# KiCad board mxm_immobilizer.kicad_pcb (continued)
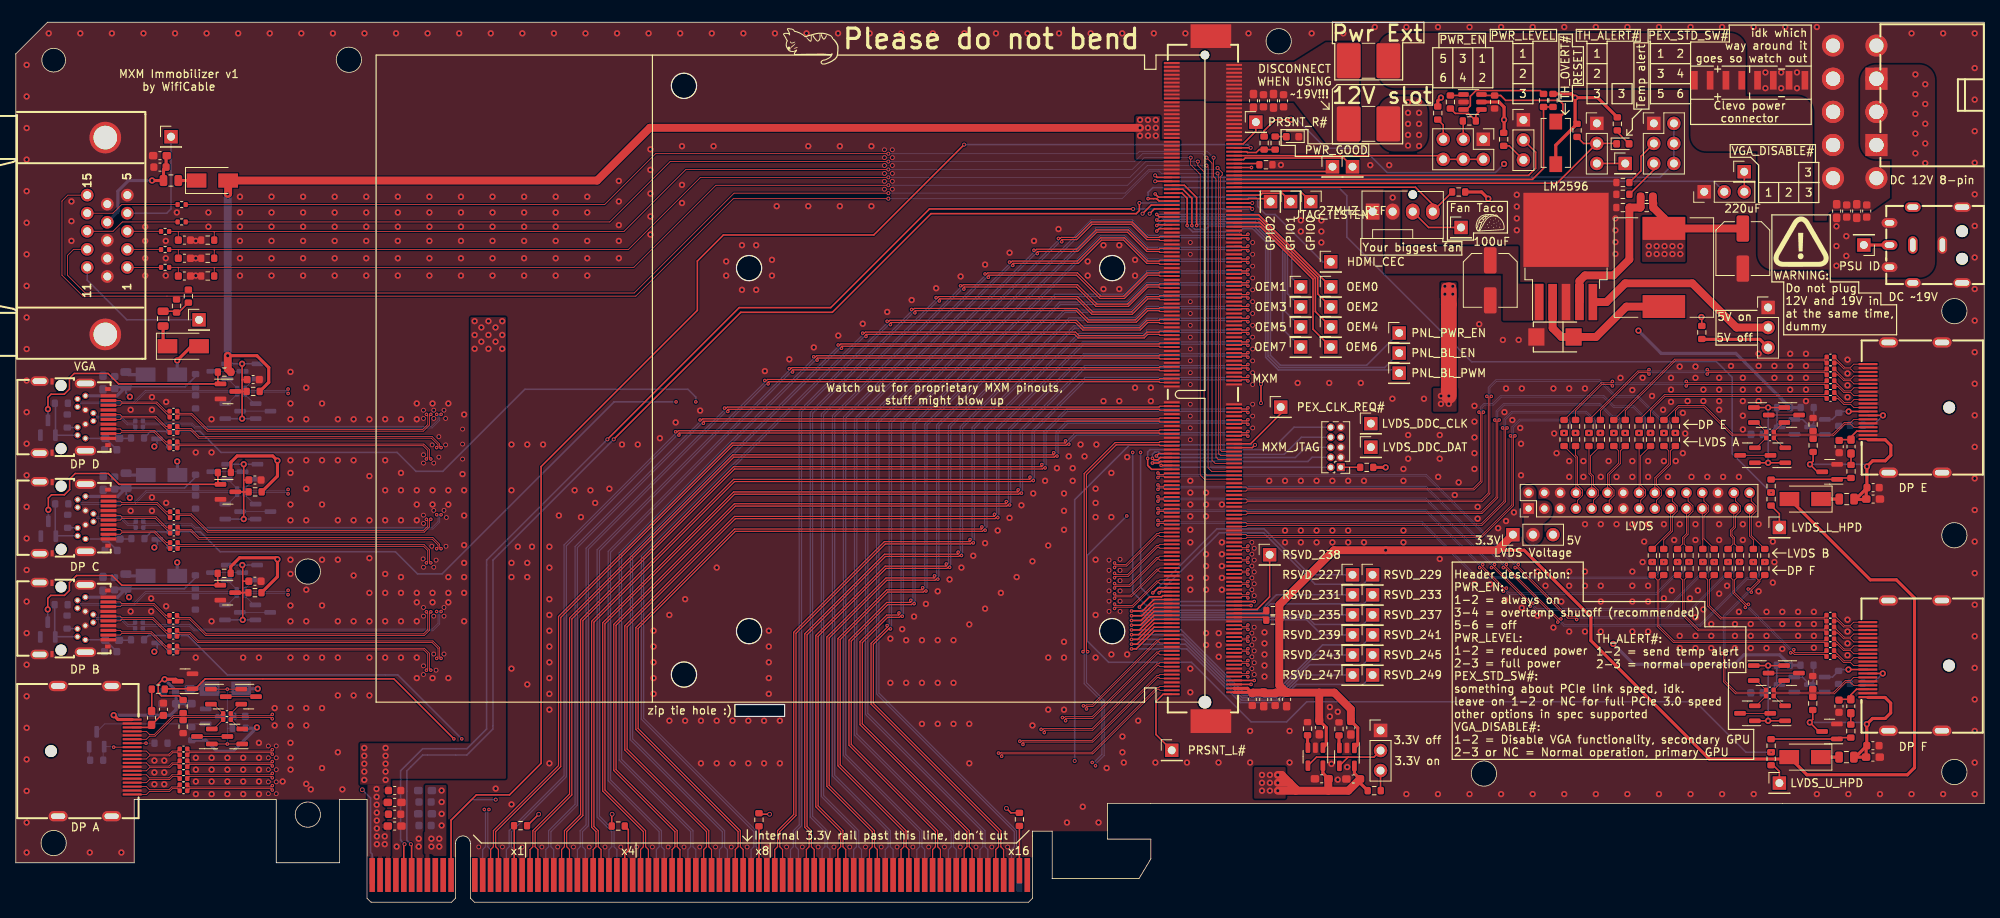
[diagram p0: board, top side]
## Nets (continued)
Net-(Q4-Pad3): Q4.3 Q8.1 R18.1
Net-(Q10-Pad3): Q10.3 Q18.3
Net-(Q11-Pad3): Q11.3 Q19.3
Net-(Q12-Pad3): Q12.3 Q20.3
Net-(Q13-Pad3): Q13.3 Q21.3
Net-(Q14-Pad3): Q14.3 Q22.3
Net-(Q15-Pad3): Q15.3 Q23.3
Net-(Q16-Pad3): Q16.3 Q24.3
Net-(Q17-Pad3): Q9.3 Q17.3
Net-(Q25-Pad3): Q25.3 Q29.3
Net-(Q26-Pad3): Q26.3 Q30.3
Net-(Q27-Pad3): Q27.3 Q31.3
Net-(Q28-Pad3): Q28.3 Q32.3
Net-(Q33-Pad1): Q33.1 Q35.3 R112.1
Net-(Q34-Pad1): Q34.1 Q36.3 R113.1
Net-(R8-Pad2): mDP_D1.6 R8.2
Net-(R9-Pad2): mDP_C1.6 R9.2
Net-(R10-Pad2): mDP_B1.6 R10.2
Net-(R48-Pad2): R48.2 U3.3
Net-(R73-Pad1): R73.1 SW1.2 U3.6
Net-(R74-Pad2): R74.2 U1.3
Net-(R75-Pad2): R75.2 U2.3
Net-(R76-Pad1): R76.1 R77.1 U3.4
Net-(R76-Pad2): R76.2 U3.1
Net-(TP1-Pad1): TP1.1 VGA1.4
Net-(TP2-Pad1): TP2.1 VGA1.11

Pads without a net: J8 7; PCIe_x16_1 A5 A6 A7 A8 A19 A32 A33 A50 B9 B10 B12 B30 B82

## Via types
v1: diameter 0.8, hole 0.4, Top to Bottom, 991 vias
v2: diameter 0.6, hole 0.4, Top to Bottom, 158 vias
v3: diameter 0.45, hole 0.2, Top to Bottom, 288 vias
v4: diameter 0.5, hole 0.3, Top to Bottom, 43 vias

## Routing (per net, layer and track width the routed paths; a pad name or vN(x,y) marks a point on that pad's centre or on a via; arc(x,y) is an arc through that point)
3V3_CURRLIM: length 420.2
  Top w0.4: D16.2 224.72,51.08 234.95,40.85 238.25,40.85 240.55,38.55 240.55,17.05 239.65,16.15 226.92,16.15 D17.2 224.44,18.15 214.55,18.15 199.55,33.15 199.55,36.15 191.1,44.6 187.7,44.6 ; U2.1 166.02,20 166.02,22.13 C73.1 ; MXM1.278 156.03,27.1 156.65,26.47 156.53,26.6 MXM1.280 ; R100.2 v1(173.55,55.1) ; D6.2 22.25,70.45 v1(20.45,68.65) ; C72.1 170.01,22.1 170.01,19.97 U1.1
  Top w1: J10.1 187.7,44.6 v1(173.55,44.6) 167,44.6 160.09,37.68 R37.2 160.09,35.76 R38.2 160.08,27.49 C67.1 ; 165.14,26.56 167.04,26.56 169.14,24.46 C72.1 ; 165.14,26.56 C67.1 ; 165.14,26.56 165.14,23.01 C73.1 ; C67.1 159.64,26.56 159.55,26.47 158.19,26.47 C69.1 156.74,26.56 156.65,26.47
  In3.Cu w1: v1(30.65,27.05) 20.45,37.25 v1(20.45,43.05) v1(20.45,55.85) v1(20.45,68.65) 23.75,71.95 36.15,71.95 39.95,68.15 89.65,68.15 93.05,64.75 140.55,64.75 154.85,50.45 167.75,50.45 173.55,44.65 v1(173.55,44.6) v1(173.55,55.1)
  Bottom w0.4: D3.2 v1(30.65,27.05) ; D2.2 v1(20.45,43.05) ; v1(20.45,55.85) 20.47,55.82 D5.2 ; D4.2 v1(20.45,68.65)
3V3_DP_A: length 24.5
  Top w0.2: R31.1 20.68,26.15 18.45,26.15 18.05,26.55 18.05,27.65 18.65,28.25 v1(18.85,28.25)
  Top w0.4: v1(12.4,23.7) 12.95,23.15 DP_A1.20 ; v1(18.85,28.25) 20.26,28.25 D10.3
  Bottom w0.4: C7.1 20.3,25.14 20.3,24.4 19.6,23.7 v1(12.4,23.7) ; C7.1 20.31,26.56 C8.1 20.22,26.87 v1(18.85,28.25) ; C7.1 20.32,25.16 F3.2
3V3_DP_B: length 29
  In3.Cu w0.2: v1(14.35,38.65) 17.55,35.45 v1(17.55,31.75)
  Bottom w0.2: v1(14.35,38.65) 13.95,39.05 F2.2 21.36,39.71 22.75,41.1 R28.1 ; v1(17.55,31.75) 17.91,32.11 D9.3
  Bottom w0.4: C47.2 11.14,39.57 C6.2 12.64,39.71 F2.2 12.89,38.65 mDP_B1.20
3V3_DP_C: length 28.4
  In3.Cu w0.2: v1(17.55,44.95) 17.55,48.15 v1(14.45,51.25)
  Bottom w0.2: v1(17.55,44.95) 17.93,45.32 D8.3 ; v1(14.45,51.25) 13.97,51.72 F5.2 21.39,52.49 22.78,53.88 R25.1
  Bottom w0.4: 8.83,51.42 12.91,51.42 F5.2 12.66,52.49 C5.2 11.16,52.35 C46.2
3V3_DP_D: length 28.5
  In3.Cu w0.2: v1(14.45,64.05) 17.55,60.95 v1(17.55,57.75)
  Bottom w0.2: v1(14.45,64.05) 13.95,64.55 F4.2 21.46,65.31 22.78,66.63 R22.1 ; v1(17.55,57.75) 17.89,58.09 D7.3
  Bottom w0.4: C45.2 11.14,65.07 C4.2 12.77,65.31 F4.2 12.81,64.17 mDP_D1.20
3V3_DP_E: length 26.6
  Top w0.2: 227.7,56.91 227.7,55.88 v1(227.3,55.48) 228.25,54.53 D13.3
  Top w0.4: 233.07,51.03 234.52,52.48 v1(234.52,55.21) 235.25,55.93 236.85,55.93 237.55,56.63 237.55,57.88 236.84,58.6 234.65,58.6 ; 232.88,51.03 234.43,51.03 234.43,52.4
  Bottom w0.2: v1(227.3,55.48) 234.25,55.48 v1(234.52,55.21)
3V3_DP_F: length 27
  Top w0.2: D14.3 228.43,21.64 v1(227.28,22.79) 227.66,23.16 227.66,24.21
  Top w0.4: 234.5,19.84 233.06,18.39 F8.2 C114.2 234.42,19.75 234.5,19.84 ; 234.5,19.84 v1(234.5,22.56) 235.23,23.29 236.83,23.29 237.53,23.99 237.53,25.24 236.82,25.95 234.64,25.95
  Bottom w0.2: v1(234.5,22.56) 234.28,22.79 v1(227.28,22.79)
3V3_SLOT: length 361.8
  Top w0.2: v1(161.55,99.15) 159.55,99.15 158.15,97.75 R44.1 ; R101.2 213.6,74.1 v1(213.55,74.15)
  Top w0.4: R43.1 188.55,97.54 v1(188.55,99.15) 188.55,100.75 187.9,101.4 U3.5 ; v1(197.55,101.95) 197.55,98.88 R47.1 195.1,95.93 SW1.1 ; v1(197.55,101.95) 200.41,101.95 R71.1 ; v1(197.55,101.95) 197.08,102.42 R45.1 ; U2.5 165.6,16.35 C71.1 ; 171.28,14.14 170.3,15.11 C70.1 169.59,16.33 U1.5 ; v1(186.55,89.15) 185.7,90 R42.1 ; R72.1 180.15,101.55 v1(180.55,101.95)
  Top w1: 161.38,15.13 160.38,16.13 v1(159.88,16.13) ; 161.38,15.13 162.18,14.33 162.18,14.13 ; 161.38,15.13 v1(159.88,15.13) ; C71.1 166.28,15.6 166.28,14.13 ; C70.1 168.82,14.13 166.28,14.13 ; 166.28,14.13 162.18,14.13 ; v1(159.88,14.13) 162.18,14.13
  Top w2: v1(181.55,64.15) 181.55,77.55
  In3.Cu w2: v1(180.55,63.15) 178.5,61.1 178.5,28.6 175.1,25.2 168.65,25.2 167.5,26.35 163.2,26.35 158.9,22.05 158.9,16.15 v1(158.88,16.13) ; 188.55,91.15 209.05,91.15 213.55,86.65 v1(213.55,74.15) ; 188.55,91.15 v1(188.55,93.55) 188.55,97.65 ; 188.55,91.15 v1(186.55,89.15) 186.55,85.35 181.55,80.35 181.55,77.55 ; v1(180.55,101.95) 185.75,101.95 v1(188.55,99.15) 188.55,97.65 ; v1(197.55,101.95) 189.85,101.95 188.55,100.65 188.55,97.65
  In3.Cu w2.5: v1(53.95,12.7) v1(53.95,11.2) 57.11,11.2 57.11,11.17 59.51,8.77 126.27,8.77 132.43,14.93 157.68,14.93 v1(157.88,15.13)
  Bottom w0.2: v1(188.55,93.55) 187.45,92.45 173.75,92.45 170.65,95.55 165.95,95.55 162.35,99.15 v1(161.55,99.15)
  vias: v1(52.65,8.05) v1(52.65,7.05) v1(53.65,8.05) v1(53.65,7.05) v1(53.95,14.15) v1(53.95,9.72) v1(157.88,16.13) v1(157.88,14.13) v1(158.88,15.13) v1(158.88,14.13) v1(180.55,64.15) v1(181.05,78.05) v1(181.05,77.05) v1(181.55,63.15) v1(182.05,78.05) v1(182.05,77.05)
3V3_VGA: length 3.8
  Top w0.2: F6.2 20.2,74.89 R1.2 20.61,74.72 R2.1
5V_REG: length 478.7
  Top w0.4: R27.2 33.15,54 v1(33.15,55.95) 32.55,56.55 28.05,56.55 27.25,55.75 R20.2 ; R30.2 33.15,41.25 v1(33.15,43.45) 32.95,43.65 28.35,43.65 27.22,42.52 R21.2 ; R24.2 32.05,65.87 32.05,67.75 30.55,69.25 v1(26.85,69.25)
  Top w1: v1(26.85,89.75) 26.9,89.8 D1.2 73.65,91.45 80.33,98.13 v1(142.43,98.13) ; R19.2 26.85,67.57 v1(26.85,69.25) ; C116.2 207.4,88.62 207.45,88.57 R118.1 208.8,86.67 208.8,85.37 218.79,85.37 C95.1
  In3.Cu w1: v1(30.55,22.15) 30.55,23.95 33.15,26.55 v1(33.15,43.45) v1(33.15,55.95) 33.15,67.75 31.65,69.25 v1(26.85,69.25)
  In3.Cu w2: J10.3 196.94,46.57 202.38,41.13 v1(202.38,32.73) 199.68,30.03 189.78,30.03 182.38,37.43 182.38,49.53 188.88,56.03 191.28,56.03 192.98,57.73 192.98,68.23
  In3.Cu w2.5: v1(144.43,98.13) 152.62,98.13 154.3,96.45 154.3,92.55 155.88,90.97 165.54,90.97 168.18,88.33 168.18,84.53 171.38,81.33 171.38,78.73 173.38,76.73 176.32,76.73 184.82,68.23 201.38,68.23 v1(205.58,72.42) 208.88,75.73 v1(208.88,82.13)
  Bottom w0.4: R113.2 R109.2 224.76,30.04 223.45,31.35 218.95,31.35 217.75,30.15 204.96,30.15 v1(202.38,32.73) ; v1(205.58,72.42) 208.45,69.55 217.91,69.55 R106.2 224.79,62.68 R112.2 ; R33.2 30.45,22.05 v1(30.55,22.15) 27.55,19.15 25.45,19.15 24.07,20.52 R18.2
  Bottom w1: v1(26.85,89.75) v1(26.85,69.25)
  vias: v1(142.43,99.13) v1(142.43,97.13) v1(143.43,99.13) v1(143.43,98.13) v1(143.43,97.13) v1(144.43,99.13) v1(144.43,97.13) v1(206.88,83.13) v1(206.88,82.13) v1(207.88,83.13) v1(207.88,82.13) v1(208.88,83.13) v1(209.88,83.13) v1(209.88,82.13) v1(210.88,83.13) v1(210.88,82.13)
5V_VGA: length 14.2
  Top w0.4: C1.2 19.04,94.51 C2.2 18.71,92.82 F1.1 v1(17.27,91.45)
  Bottom w0.4: VGA1.9 12.93,87.5 12.93,90.1 14.28,91.45 v1(17.27,91.45)
12V_SLOT: length 12.3
  In3.Cu w2: 176.4,93.3 176.4,95.86 v1(176.38,95.88) ; 176.4,93.3 174.44,91.34 v1(174.44,89.29) M1.2 ; 176.4,93.3 176.4,94.45 v1(177.78,95.83)
  vias: v1(44.15,19.55) v1(44.15,18.55) v1(44.15,17.55) v1(44.15,16.55) v1(44.15,15.5) v1(45.7,14.35) v1(45.72,13.35) v1(45.72,12.35) v1(45.73,11.35) v1(45.73,10.35) v1(45.74,9.35) v1(45.74,8.35) v1(45.74,7.35) v1(46.74,8.35) v1(46.74,7.35) v1(46.85,19.55) v1(46.85,18.55) v1(46.85,17.55) v1(46.85,16.55) v1(46.85,15.5) v1(58.13,73.63) v1(58.13,71.88) v1(58.13,70.13) v1(58.98,72.83) v1(58.98,71.03) v1(59.88,73.63) v1(59.88,71.88) v1(59.88,70.13) v1(60.78,72.83) v1(60.78,71.03) v1(61.63,73.63) v1(61.63,71.88) v1(61.63,70.13) v1(176.38,101.38) v1(176.38,100.03) v1(176.38,98.63) v1(176.38,97.23) v1(177.78,101.43) v1(177.78,100.03) v1(177.78,98.63) v1(177.78,97.23)
GND: length 1.8
  Bottom w0.1: R14.1 9.3,18.12 Q4.2
  vias: v1(1.38,106.1) v1(1.38,102.1) v1(1.38,98.1) v1(1.38,94.1) v1(1.38,90.1) v1(1.38,86.1) v1(1.38,82.1) v1(1.38,78.1) v1(1.38,74.1) v1(1.38,70.1) v1(1.38,66.1) v1(1.38,62.1) v1(1.38,58.1) v1(1.38,54.1) v1(1.38,50.1) v1(1.38,46.1) v1(1.38,42.1) v1(1.38,38.1) v1(1.38,34.1) v1(1.38,30.1) v1(1.38,26.1) v1(1.38,22.1) v1(1.38,18.1) v1(1.38,14.1) v1(1.38,10.1) v1(1.38,6.3) v1(4.18,110.1) v1(7.05,88.8) v1(7.05,86.3) v1(7.05,83.8) v1(8.18,110.1) v1(9.38,6.3) v1(12.18,110.1) v1(13.38,6.3) v1(14.55,62.4) v1(14.55,49.6) v1(14.55,36.85) v1(16.18,110.1) v1(16.4,85.6) v1(16.4,83.8) v1(16.4,81.6) v1(16.4,79.4) v1(17.15,38.5) v1(17.15,36.85) v1(17.25,64) v1(17.25,62.4) v1(17.25,51.3) v1(17.25,49.6) v1(17.56,17.95) v1(17.56,16.45) v1(17.56,14.95) v1(18.81,17.95) v1(18.81,16.45) v1(18.81,14.95) v1(19,83.8) v1(19,81.6) v1(19,79.4) v1(19.05,63.4) v1(19.05,50.6) v1(19.05,37.5) v1(20.18,110.1) v1(20.4,87.4) v1(22.8,83.8) v1(22.8,81.6) v1(22.8,79.4) v1(22.8,57) v1(22.8,31) v1(22.81,18.3) v1(22.81,16.8) v1(22.81,15.3) v1(22.81,13.7) v1(24.18,110.1) v1(24.4,87.4) v1(24.4,85.6) v1(24.8,61.2) v1(24.8,57) v1(24.8,35.6) v1(24.81,18.3) v1(24.81,16.8) v1(24.81,15.3) v1(24.81,13.7) v1(26.81,18.3) v1(26.81,16.8) v1(26.81,15.3) v1(26.81,13.7) v1(28.18,110.1) v1(28.4,89.4) v1(28.4,87.4) v1(28.4,85.6) v1(28.4,83.8) v1(28.4,81.6) v1(28.4,79.4) v1(28.8,31) v1(28.81,18.3) v1(28.81,16.8) v1(28.81,15.3) v1(28.81,13.7) v1(30.8,31) v1(30.8,20.2) v1(30.81,18.3) v1(30.81,16.8) v1(30.81,15.3) v1(30.81,13.7) v1(32.17,110.1) v1(32.4,89.4) v1(32.4,87.4) v1(32.4,85.6) v1(32.4,83.8) v1(32.4,81.6) v1(32.4,79.4) v1(32.8,24.6) v1(32.8,22.4) v1(33.81,15.3) v1(34.8,67.2) v1(34.8,63.2) v1(34.8,61.2) v1(34.8,56) v1(34.8,54.4) v1(34.8,50.4) v1(34.8,48.4) v1(34.8,43.4) v1(34.8,41.6) v1(34.8,37.6) v1(34.8,35.6) v1(34.8,31) v1(34.8,24.6) v1(34.8,22.4) v1(34.8,20.2) v1(34.81,18.3) v1(34.81,16.8) v1(36.17,110.1) v1(36.4,89.4) v1(36.4,87.4) v1(36.4,85.6) v1(36.4,83.8) v1(36.4,81.6) v1(36.4,79.4) v1(36.8,65.2) v1(36.8,61.2) v1(36.8,56) v1(36.8,52.4) v1(36.8,48.4) v1(36.8,39.6) v1(36.8,35.6) v1(36.8,31) v1(36.8,24.6) v1(36.8,22.4) v1(36.8,15) v1(37.38,14.3) v1(38.8,63.2) v1(38.8,56) v1(38.8,50.4) v1(38.8,43.4) v1(38.8,37.6) v1(38.8,31) v1(38.8,24.6) v1(38.8,17) v1(40.17,110.1) v1(40.4,89.4) v1(40.4,87.4) v1(40.4,85.6) v1(40.4,83.8) v1(40.4,81.6) v1(40.4,79.4) v1(40.8,61.2) v1(40.8,56) v1(40.8,48.4) v1(40.8,43.4) v1(40.8,35.6) v1(40.8,31) v1(40.8,26.2) v1(40.8,19) v1(41.38,14.3) v1(42.8,61.2) v1(42.8,56) v1(42.8,48.4) v1(42.8,41.4) v1(42.8,35.6) v1(42.8,26.2) v1(44.17,110.1) v1(44.4,89.4) v1(44.4,87.4) v1(44.4,85.6) v1(44.4,83.8) v1(44.4,81.6) v1(44.4,79.4) v1(44.8,61.2) v1(44.8,54) v1(44.8,48.4) v1(44.8,43.6) v1(44.8,39.2) v1(44.8,35.6) v1(44.8,31) v1(44.8,26.2) v1(46.8,61.2) v1(46.8,56) v1(46.8,52.2) v1(46.8,48.4) v1(46.8,41.6) v1(46.8,39.2) v1(46.8,35.6) v1(46.8,31) v1(48.17,110.1) v1(48.25,7.05) v1(48.4,89.4) v1(48.4,87.4) v1(48.4,85.6) v1(48.4,83.8) v1(48.4,81.6) v1(48.4,79.4) v1(48.8,61.2) v1(48.8,54.4) v1(48.8,52.2) v1(48.8,48.4) v1(48.8,41.2) v1(48.8,39.2) v1(48.8,35.6) v1(48.8,31) v1(50.8,63.2) v1(50.8,61.2) v1(50.8,52.2) v1(50.8,50.4) v1(50.8,48.4) v1(50.8,39.2) v1(50.8,38) v1(50.8,35.6) v1(50.8,31) v1(50.8,28.4) v1(51.05,8.05) v1(51.05,7.05) v1(52.17,110.1) v1(52.4,89.4) v1(52.4,87.4) v1(52.4,85.6) v1(52.4,83.8) v1(52.4,81.6) v1(52.4,79.4) v1(52.8,63.2) v1(52.8,52.2) v1(52.8,50.4) v1(52.8,39.2) v1(52.8,38) v1(52.8,28.4) v1(54.8,63.2) v1(54.8,52.2) v1(54.8,50.4) v1(54.8,41.2) v1(54.8,39.2) v1(54.8,38) v1(54.8,28.4) v1(56.17,110.1) v1(56.4,89.4) v1(56.4,87.4) v1(56.4,85.6) v1(56.4,83.8) v1(56.4,81.6) v1(56.4,79.4) v1(56.6,54.25) v1(56.8,61.8) v1(56.8,52.2) v1(56.8,49) v1(56.8,45.25) v1(56.8,43) v1(56.8,41.2) v1(56.8,39.2) v1(56.8,35.6) v1(60.17,110.1) v1(60.4,89.4) v1(60.4,87.4) v1(60.4,85.6) v1(60.4,83.8) v1(60.4,81.6) v1(60.4,79.4) v1(60.8,14.4) v1(62.8,58) v1(62.8,52.2) v1(62.8,43) v1(62.8,41.2) v1(62.8,29.6) v1(62.8,12.4) v1(63.6,45.05) v1(64.17,110.1) v1(64.4,89.4) v1(64.4,87.4) v1(64.4,85.6) v1(64.4,83.8) v1(64.4,81.6) v1(64.4,79.4) v1(64.8,58) v1(64.8,43) v1(64.8,41.2) v1(64.8,27.6) v1(65.4,45.05) v1(66.8,58) v1(67.6,45.05) v1(67.6,42.4) v1(67.6,38.4) v1(67.6,36.4) v1(67.6,34.4) v1(67.6,32.4) v1(67.6,30.4) v1(67.6,28.4) v1(67.6,26.4) v1(67.6,24.4) v1(67.6,17.6) v1(68.17,110.1) v1(68.4,89.4) v1(68.4,87.4) v1(68.4,85.6) v1(68.4,83.8) v1(68.4,81.6) v1(68.4,79.4) v1(68.8,49) v1(70.8,52.2) v1(71.6,48.8) v1(72.17,110.1) v1(72.4,89.4) v1(72.4,87.4) v1(72.4,83.8) v1(72.4,81.6) v1(72.4,79.4) v1(72.8,52.2) v1(73.4,50.6) v1(75.2,52.4) v1(76.17,110.1) v1(76.4,91.4) v1(76.4,88.8) v1(76.4,85.8) v1(76.4,83.8) v1(76.4,81.6) v1(76.8,58) v1(78.8,58) v1(80.17,110.1) v1(80.4,95.4) v1(80.4,92.8) v1(80.4,89.8) v1(80.4,86.9) v1(80.4,84.6) v1(80.8,34.4) v1(80.8,32.4) v1(80.8,30.4) v1(80.8,28.4) v1(80.8,26.4) v1(81.6,58.8) v1(82.8,36.4) v1(82.8,23) v1(83.6,60.8) v1(84.17,110.1) v1(84.4,95.8) v1(84.4,90.9) v1(84.4,88.6) v1(84.8,38.4) v1(84.8,23) v1(86.7,62.3) v1(86.8,23) v1(86.8,17.6) v1(88.17,110.1) v1(88.4,95.8) v1(88.8,42.4) v1(88.8,23) v1(88.8,17.6) v1(90,81.2) v1(90,79.4) v1(90.8,23) v1(90.8,17.6) v1(92,83.25) v1(92,77.6) v1(92.17,110.1) v1(92.8,23) v1(92.8,17.6) v1(93.8,83.25) v1(93.8,77.6) v1(94.8,23) v1(94.8,17.6) v1(94.9,67.3) v1(95.4,34.4) v1(95.4,32.4) v1(95.4,30.4) v1(95.4,28.4) v1(95.4,26.4) v1(95.8,81.4) v1(95.8,79.4) v1(96.17,110.1) v1(96.4,88.2) v1(96.8,23) v1(96.8,17.6) v1(98,68.8) v1(100.17,110.1) v1(100.4,95.8) v1(100.4,88.2) v1(101.1,70.3) v1(104.17,110.1) v1(104.2,71.8) v1(104.4,95.8) v1(104.4,88.2) v1(107.3,73.3) v1(108.17,110.1) v1(108.4,95.8) v1(108.4,88.2) v1(110.4,74.8) v1(110.8,33.4) v1(110.8,27.8) v1(112.17,110.1) v1(112.3,34.6) v1(112.8,33.2) v1(112.8,27.8) v1(113.5,76.3) v1(113.8,36.2) v1(114.8,33.2) v1(114.8,27.8) v1(114.8,22.6) v1(115.3,37.8) v1(116.17,110.1) v1(116.6,77.8) v1(116.8,39.4) v1(116.8,33.2) v1(116.8,27.8) v1(116.8,22.6) v1(118.3,40.9) v1(118.8,33.2) v1(118.8,27.8) v1(118.8,22.6) v1(119.7,79.3) v1(119.8,42.4) v1(120.17,110.1) v1(120.8,35.2) v1(120.8,22.6) v1(120.8,17.6) v1(121.3,43.9) v1(122.8,80.8) v1(122.8,45.5) v1(122.8,37.2) v1(124.17,110.1) v1(124.4,47.1) v1(124.8,39.2) v1(125.9,82.3) v1(125.9,48.7) v1(126.8,41.2) v1(127.4,50.3) v1(128.18,110.1) v1(128.8,43.2) v1(128.8,22.4) v1(128.9,51.8) v1(129,83.8) v1(130.4,53.4) v1(130.8,45.2) v1(130.8,31) v1(130.8,24.4) v1(131.9,55) v1(132.18,110.1) v1(132.1,85.3) v1(132.8,51.8) v1(132.8,49.6) v1(132.8,47.2) v1(132.8,33) v1(132.8,31) v1(132.8,24.4) v1(133.18,10.1) v1(133.4,56.5) v1(133.9,55) v1(133.9,53.4) v1(134.9,58) v1(135.18,12.1) v1(135.4,56.5) v1(135.8,81.2) v1(135.8,79.4) v1(136.18,110.1) v1(136.8,52.4) v1(136.8,50.6) v1(136.8,48.8) v1(136.8,43.4) v1(136.8,36.4) v1(136.8,31) v1(136.9,58) v1(137.18,10.1) v1(137.8,83.25) v1(137.8,77.7) v1(137.8,63.5) v1(138.2,17) v1(138.8,54.4) v1(138.8,48.8) v1(138.8,31.4) v1(139.8,83.25) v1(139.8,77.7) v1(139.8,63.5) v1(140.18,110.1) v1(140.2,21) v1(140.2,19) v1(140.38,17.7) v1(140.8,56.4) v1(140.8,31.4) v1(141.8,81.4) v1(141.8,79.4) v1(141.8,65.2) v1(142.2,23) v1(143.8,65.2) v1(143.8,63.5) v1(144.18,110.1) v1(144.38,17.7) v1(148.18,110.1) v1(148.38,17.7) v1(148.8,53.4) v1(148.8,51.9) v1(148.8,50.4) v1(148.8,48.9) v1(148.8,47.2) v1(148.8,45.6) v1(148.8,41.1) v1(148.8,39.6) v1(148.8,29.6) v1(148.8,26.6) v1(150.8,51.9) v1(150.8,50.4) v1(150.8,48.9) v1(150.8,44.1) v1(150.8,42.6) v1(150.8,41.1) v1(150.8,39.6) v1(150.8,34.1) v1(150.8,32.6) v1(152.4,34.1) v1(152.4,32.6) v1(152.4,31.1) v1(152.38,17.7) v1(152.8,50.4) v1(152.8,45.6) v1(152.8,44.1) v1(152.8,42.6) v1(152.8,41.1) v1(152.8,39.6) v1(156.18,110.1) v1(156.38,21.7) v1(156.38,17.7) v1(158.2,34.2) v1(158.2,32.8) v1(158.2,31.4) v1(158.2,30) v1(158.2,28.6) v1(158.8,53.4) v1(160.28,93.43) v1(160.8,53.4) v1(160.8,47.1) v1(160.8,45.6) v1(161.38,21.7) v1(161.38,17.7) v1(162.4,65.8) v1(162.8,86.4) v1(162.8,85) v1(162.8,53.4) v1(162.8,47.1) v1(162.8,45.6) v1(164.18,110.1) v1(164.8,53.4) v1(164.8,47.1) v1(164.8,45.6) v1(165.4,86.4) v1(165.4,85) v1(165.4,83.6) v1(166.4,65.8) v1(166.48,24.73) v1(166.48,23.53) v1(166.68,17.53) v1(166.8,53.4) v1(166.8,47.1) v1(166.8,45.6) v1(167.48,24.13) v1(167.48,15.53) v1(168.18,110.1) v1(168.68,17.13) v1(168.8,53.4) v1(168.8,47.1) v1(168.8,45.6) v1(170.4,65.8) v1(170.8,53.4) v1(170.8,45.6) v1(171.6,93.4) v1(172.18,110.9) v1(174,93.4) v1(174.4,63.8) v1(175.8,54.9) v1(175.8,53.4) v1(175.8,47.1) v1(175.8,45.6) v1(176.18,110.9) v1(176.18,13.7) v1(176.4,59.2) v1(176.4,56.2) v1(178.4,63.8) v1(180.18,110.9) v1(180.18,13.7) v1(180.2,53.9) v1(180.4,59.2) v1(180.4,56.2) v1(180.4,43.5) v1(182.3,51.6) v1(182.8,53.2) v1(184.18,110.9) v1(184.18,13.7) v1(184.8,62.9) v1(184.8,60.9) v1(184.8,58.9) v1(184.8,56.9) v1(184.8,54.9) v1(184.8,40.3) v1(185.2,50.1) v1(185.2,48.6) v1(185.4,73.25) v1(186.8,40.3) v1(187.8,47.4) v1(188.18,110.9) v1(188.18,13.7) v1(188.4,71.25) v1(188.6,62.1) v1(188.8,65.1) v1(188.8,48.3) v1(188.7,38.3) v1(189.6,61.1) v1(189.8,49.4) v1(190.16,89.65) v1(190.16,88.15) v1(190.16,86.65) v1(190.16,85.15) v1(190.4,71.25) v1(190.6,60.1) v1(190.8,65.1) v1(190.7,58.1) v1(190.7,54.1) v1(190.8,37.3) v1(192.18,110.9) v1(192.18,13.7) v1(192.8,41.9) v1(192.8,36.3) v1(193.8,40.1) v1(194.8,65.1) v1(194.8,34.8) v1(194.9,59.4) v1(195.2,56.9) v1(195.8,38.1) v1(196.18,110.9) v1(196.18,13.7) v1(196.8,65.1) v1(196.8,55.9) v1(196.8,53.9) v1(196.8,41.9) v1(196.8,40.1) v1(196.8,34.3) v1(198.6,55.9) v1(198.6,53.9) v1(198.8,65.1) v1(198.8,47.9) v1(198.8,41.9) v1(198.8,40.1) v1(198.8,34.3) v1(200.18,110.9) v1(200.18,13.7) v1(200.8,53.9) v1(200.8,47.9) v1(200.8,40.1) v1(200.8,38.1) v1(200.8,34.3) v1(201.8,55.9) v1(202.66,86.65) v1(202.66,85.15) v1(202.66,83.65) v1(202.66,82.15) v1(202.8,53.9) v1(202.8,47.9) v1(203.3,66.45) v1(204.18,110.9) v1(204.18,13.7) v1(204.8,64.9) v1(204.8,55.9) v1(204.8,53.9) v1(204.8,47.9) v1(204.8,41.9) v1(204.8,40.1) v1(204.8,38.1) v1(204.8,34.3) v1(206.1,66.45) v1(206.1,43.1) v1(206.3,45.7) v1(206.8,55.9) v1(206.8,53.9) v1(206.8,47.9) v1(206.8,40.1) v1(206.8,38.1) v1(206.8,34.3) v1(207.3,64.15) v1(208.18,110.9) v1(208.18,13.7) v1(208.7,62.4) v1(208.8,55.9) v1(208.8,47.9) v1(208.8,38.5) v1(209.3,53.9) v1(209.7,66.45) v1(209.7,64.95) v1(209.7,63.4) v1(209.8,39.5) v1(210.1,45.9) v1(210.3,55.9) v1(210.8,67.87) v1(210.8,47.9) v1(210.8,33.75) v1(210.8,32.2) v1(211.2,62) v1(211.2,56.9) v1(211.5,59.4) v1(211.8,63.5) v1(212.18,110.9) v1(212.1,38.5) v1(212.18,13.7) v1(212.3,53.9) v1(212.8,67.87) v1(212.8,66.45) v1(212.8,47.9) v1(212.8,45.9) v1(212.8,36.1) v1(212.8,33.75) v1(212.8,32.2) v1(213.1,39.5) v1(213.8,64.95) v1(213.8,63.5) v1(213.8,37.1) v1(214.3,53.9) v1(214.8,35.25) v1(214.8,33.75) v1(214.8,32.2) v1(215.8,66.45) v1(215.8,64.95) v1(215.8,63.5) v1(215.8,62.4) v1(215.8,47.9) v1(215.8,45.9) v1(215.8,39.1) v1(216.18,110.9) v1(216.18,13.7) v1(216.3,53.9) v1(216.8,40.1) v1(217.3,67.95) v1(217.8,35.25) v1(217.8,33.75) v1(217.8,32.2) v1(218.3,53.9) v1(218.3,36.8) v1(218.8,66.45) v1(218.8,64.95) v1(218.8,63.5) v1(218.8,61.65) v1(218.8,59.9) v1(218.8,47.9) v1(218.8,45.9) v1(219.8,35.25) v1(219.8,33.75) v1(219.8,32.2) v1(220.18,110.9) v1(220.18,13.7) v1(220.8,69.5) v1(220.8,67.95) v1(220.8,64.95) v1(220.8,63.5) v1(220.8,47.9) v1(220.8,39.4) v1(221.66,105.15) v1(221.66,103.15) v1(221.8,36.8) v1(221.8,33.75) v1(221.8,32.2) v1(222.6,45.7) v1(222.6,40.5) v1(222.8,67.95) v1(222.8,66.45) v1(222.8,43.1) v1(223.66,105.15) v1(223.66,103.15) v1(223.8,36.8) v1(223.8,35.25) v1(223.8,32.1) v1(224.18,110.9) v1(224.8,69.5) v1(224.8,67.95) v1(224.8,66.45) v1(224.8,64.95) v1(225.66,105.15) v1(225.66,103.15) v1(225.8,36.8) v1(225.8,35.25) v1(225.8,33.75) v1(226.8,69.5) v1(226.8,67.95) v1(226.8,66.45) v1(226.8,64.95) v1(226.8,63.5) v1(227.8,36.8) v1(227.8,35.25) v1(227.8,33.75) v1(227.8,32.25) v1(228.18,110.9) v1(228.18,13.7) v1(232.06,68.75) v1(232.06,67) v1(232.06,65.5) v1(232.06,64) v1(232.06,35.8) v1(232.06,34.3) v1(232.06,32.8) v1(232.06,31.3) v1(232.18,13.7) v1(236.18,13.7) v1(240.18,110.1) v1(240.18,13.7) v1(244.18,110.1) v1(244.18,13.7) v1(248.18,110.1) v1(248.18,105.7) v1(248.18,101.7) v1(248.18,97.7) v1(248.18,93.7) v1(248.18,89.7) v1(248.18,85.7) v1(248.18,81.7) v1(248.18,77.7) v1(248.18,73.7) v1(248.18,69.7) v1(248.18,65.7) v1(248.18,61.7) v1(248.18,57.7) v1(248.18,53.7) v1(248.18,49.7) v1(248.18,45.7) v1(248.18,41.7) v1(248.18,37.7) v1(248.18,33.7) v1(248.18,29.7) v1(248.18,25.7) v1(248.18,21.7) v1(248.18,17.7) v1(248.18,13.7) v2(32,19.8) v2(32,18.3) v2(32,16.8) v2(32,15.25) v2(32,13.75) v2(33,19.8) v2(33,18.3) v2(33,16.8) v2(33,15.25) v2(33,13.75) v2(51.6,43.5) v2(51.65,62.35) v2(51.65,61.3) v2(51.65,56.7) v2(51.65,55.65) v2(51.65,49.05) v2(51.65,48) v2(51.65,42.45) v2(51.65,37.35) v2(51.65,36.25) v2(51.65,29.95) v2(51.65,28.85) v2(52.75,57.95) v2(52.7,45.1) v2(52.95,62.35) v2(52.95,61.3) v2(52.95,55.65) v2(52.95,49.65) v2(52.95,42.45) v2(52.95,36.25) v2(52.95,31.45) v2(53.25,43.35) v2(53.25,29.4) v2(53.6,59) v2(53.6,56.4) v2(54.25,62.35) v2(54.25,49.65) v2(54.25,37.35) v2(54.25,36.25) v2(54.25,31.45) v2(54.45,61.3) v2(54.45,57.95) v2(54.55,48.75) v2(54.5,45.1) v2(56.6,59.95) v2(56.6,58.05) v2(56.6,56.15) v2(58.65,7) v2(61.65,7) v2(64.15,7) v2(66.65,7) v2(68.65,7) v2(70.65,7) v2(72.65,7) v2(74.65,7) v2(76.65,7) v2(78.65,7) v2(80.65,7) v2(82.65,7) v2(84.65,7) v2(86.65,7) v2(88.65,7) v2(90.65,7) v2(92.65,7) v2(95.15,7) v2(97.65,7) v2(99.65,7) v2(101.65,7) v2(103.65,7) v2(105.65,7) v2(107.65,7) v2(109.65,7) v2(110.05,95.35) v2(110.05,94.35) v2(110.05,93.35) v2(110.05,92.35) v2(110.05,91.35) v2(110.05,90.35) v2(111.05,95.35) v2(111.05,94.35) v2(111.05,93.35) v2(111.05,92.35) v2(111.05,91.35) v2(111.05,90.35) v2(111.65,7) v2(113.65,7) v2(115.65,7) v2(117.65,7) v2(119.65,7) v2(121.65,7) v2(123.65,7) v2(125.65,7) v2(138.5,43.35) v2(138.5,42.05) v2(138.5,40.75) v2(138.5,39.45) v2(138.5,38.15) v2(138.5,36.85) v2(139.9,43.45) v2(139.9,42.05) v2(139.9,40.75) v2(139.9,39.45) v2(139.9,38.15) v2(139.9,36.85) v2(148.8,83.6) v2(148.8,82.1) v2(148.8,76.1) v2(148.8,74.6) v2(148.8,73.1) v2(148.8,71.6) v2(148.8,70.1) v2(148.8,68.6) v2(148.8,67.1) v2(148.8,65.6) v2(148.8,63.1) v2(148.8,61.6) v2(148.8,60.1) v2(148.8,58.6) v2(156.6,45.6) v2(156.6,44.1) v2(156.6,42.6) v2(156.6,41.1) v2(156.6,39.6) v2(156.6,34.1) v2(156.6,32.6) v2(156.6,31.1) v2(156.6,29.6) v2(156.7,83.6) v2(156.7,82.1) v2(156.7,80.6) v2(156.7,79.1) v2(156.7,77.6) v2(156.7,76.1) v2(156.7,74.6) v2(156.7,73.1) v2(156.7,71.6) v2(156.7,70.1) v2(156.7,68.6) v2(156.7,67.1) v2(156.7,65.6) v2(156.7,63.1) v2(156.7,61.6) v2(156.7,60.1) v2(156.9,44.85) v2(156.9,43.35) v2(156.9,41.85) v2(156.9,40.35) v2(156.9,38.85) v2(156.9,34.85) v2(156.9,33.35) v2(156.9,31.85) v2(156.9,30.35) v2(156.9,28.85)
/DP_A_C_AUX+: length 14.7
  Top w0.1: Q16.2 25.07,21.95 C57.2 26,23.42 20.02,23.42 17.64,21.04 16.94,21.04 16.54,20.65 DP_A1.15
/DP_A_C_AUX-: length 14.8
  Top w0.1: Q15.2 25.07,25.1 C56.2 26,23.63 19.93,23.63 17.56,21.25 16.94,21.25 16.54,21.65 DP_A1.17
/DP_A_C_L0+: length 6.4
  Top w0.1: DP_A1.1 16.54,13.65 16.94,14.04 19.49,14.04 19.84,14.39 20.5,14.39 C43.2
/DP_A_C_L0-: length 6.4
  Top w0.1: C42.2 20.5,14.6 19.75,14.6 19.4,14.25 16.94,14.25 16.54,14.65 DP_A1.3
/DP_A_C_L1+: length 6.5
  Top w0.1: DP_A1.4 16.54,15.15 16.94,15.54 19.49,15.54 19.89,15.94 20.5,15.94 C41.2
/DP_A_C_L1-: length 6.5
  Top w0.1: C40.2 20.5,16.15 19.8,16.15 19.4,15.75 16.94,15.75 16.54,16.15 DP_A1.6
/DP_A_C_L2+: length 6.5
  Top w0.1: DP_A1.7 16.54,16.65 16.94,17.04 19.49,17.04 19.89,17.44 20.5,17.44 C39.2
/DP_A_C_L2-: length 6.5
  Top w0.1: DP_A1.9 16.54,17.65 16.94,17.25 19.4,17.25 19.8,17.65 20.5,17.65 C38.2
/DP_A_C_L3+: length 6.5
  Top w0.1: DP_A1.10 16.54,18.15 16.94,18.54 19.49,18.54 19.89,18.94 20.5,18.94 C37.2
/DP_A_C_L3-: length 6.5
  Top w0.1: C36.2 20.5,19.15 19.8,19.15 19.4,18.75 16.94,18.75 16.54,19.15 DP_A1.12
/DP_B_C_AUX+: length 23.1
  Bottom w0.1: Q14.2 26.81,37.67 C55.2 27.74,39.14 16.49,39.14 14.99,37.64 8.21,37.64 mDP_B1.16
/DP_B_C_AUX-: length 22.9
  Bottom w0.1: mDP_B1.18 8.21,37.85 14.91,37.85 16.41,39.35 27.74,39.35 C54.2 26.81,40.82 Q13.2
/DP_B_C_L0+: length 5.9
  Bottom w0.1: C29.2 14.85,35.18 14.22,35.18 13.34,36.05 10.21,36.05 mDP_B1.12
/DP_B_C_L0-: length 5.9
  Bottom w0.1: mDP_B1.10 10.21,35.84 13.26,35.84 14.13,34.97 14.85,34.97 C31.2
/DP_B_C_L1+: length 8.4
  Top w0.1: C27.2 19.02,36.35 17.51,37.85 13.42,37.85 13.23,38.05 mDP_B1.17
/DP_B_C_L1-: length 8.7
  Top w0.1: mDP_B1.15 13.23,37.45 13.42,37.64 17.43,37.64 C28.2
/DP_B_C_L2+: length 8.5
  Top w0.1: C30.2 19.02,34.45 17.41,36.05 13.42,36.05 13.23,36.25 mDP_B1.11
/DP_B_C_L2-: length 8.7
  Top w0.1: C32.2 17.32,35.84 13.42,35.84 13.23,35.65 mDP_B1.9